# Altium PCB Steam_dev_kit_revised.PcbDoc (part 2 of 3) (continued)
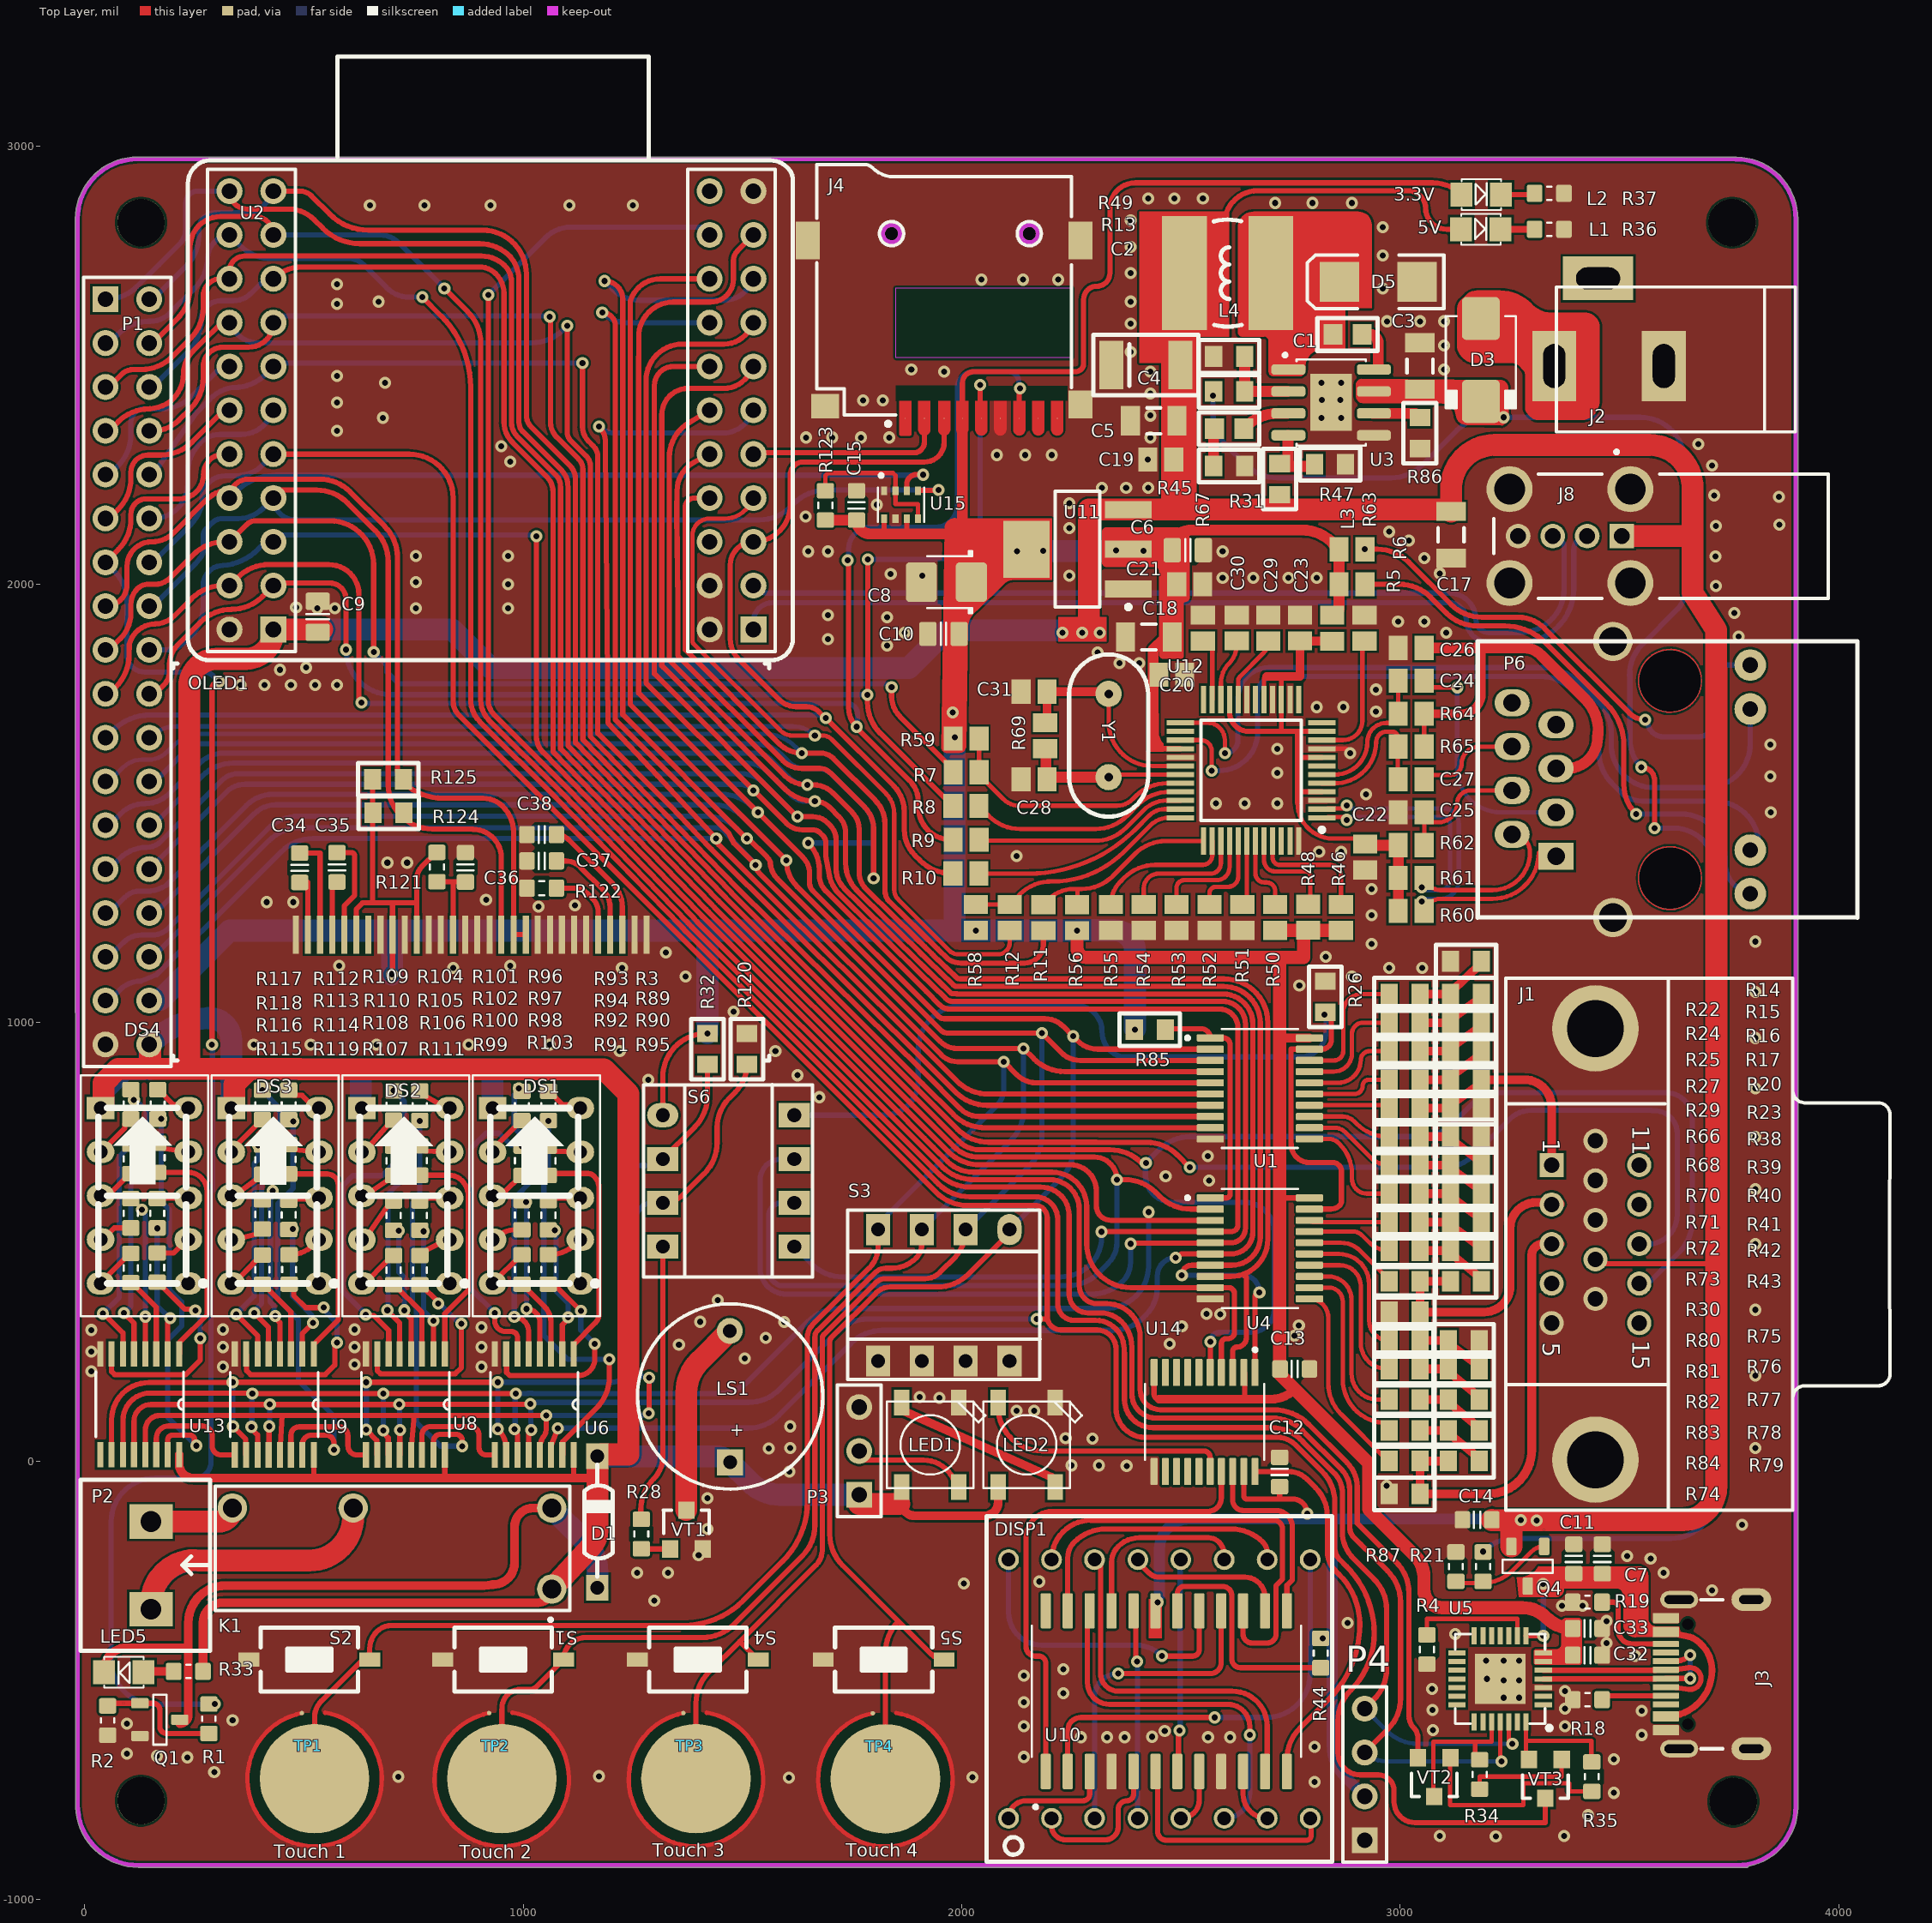
[diagram p0: Top Layer view]
## Nets (pads, with @x,y where several pads share a name; then routed paths per layer and width w, separated by ;. In a path a pad name is that pad's centre, name@x,y a point inside that pad or via, vN(x,y) a via of type N, cw(c..) or ccw(c..) an arc to the next point about the centre after c; other vN are vias at no path point) (continued)
  Top Layer w12: U2.10@1425,2297 1390.68,2279.14 ccw(c1425,2213.2) 1350.66,2213.5 1350.66,2213.13 1350.13,2169.91 1350.04,2168.76 1350.04,2159.87 1352.31,1959.97 1352.31,1837.69 1592.32,1597.68 ccw(c1635,1640.36) 1635,1580 1676,1580 cw(c1676,1546.2) 1699.9,1570.1 1779.21,1490.79 cw(c1731.4,1443) 1799,1443 v1(1799,1329) ; v1(1650,1410) cw(c1589.33,1349.33) v1@1650.47,1409.53 ; v1@1650.47,1409.52 cw(c1589.33,1349.33) 1673.37,1366.63 cw(c1589.33,1349.33) 1675.13,1349.33 1675.13,1336.57 ccw(c1726.57,1336.57) 1690.14,1300.26 ccw(c1726.57,1336.57) 1690.2,1300.2 1919.2,1071.2 1949.57,1040.58 ccw(c1972.7,1063.71) 1972.7,1031 2587.65,1031 cw(c2587.65,988.65) 2630,988.65 2630,538.57 cw(c2614.98,538.57) 2614.98,523.54 U4.4@2567.02,523.54 2566.74,523.27 2319.27,523.27 v1(2319,523)
  Bottom Layer w12: P1.24@147,1550.3 159.73,1550.3 174.69,1565.26 175.26,1565.26 238.55,1628.55 cw(c256.56,1610.51) 256.56,1636 1530,1636 cw(c1530,1553.92) 1588.01,1611.99 ; 1588.04,1611.96 1606.5,1593.5 ccw(c1639.09,1626.09) 1639.09,1580 1670.91,1580 cw(c1670.91,1533.91) 1703.5,1566.5 1777.08,1492.92 cw(c1724.16,1440) 1799,1440 1799,1410 ; S6.5@1618,489 1657.71,449.29 ccw(c1728.42,520) 1728.42,420 2225.4,420 ccw(c2225.4,515.6) 2293,448 ccw(c2230.23,510.77) 2319,510.77 v1(2319,523) ; v1(1650,1410) 1799,1410 ; v1(1799,1329) 1799,1410
IO4: P1.29 S3.1 S5.2 TP4.1 U1.2 U2.19 | length 6714.6
  Top Layer w12: U2.19@1525,2797 1488.13,2760.13 ccw(c1509.53,2738.73) 1479.26,2738.73 1479.26,2696.19 cw(c1427.07,2696.19) 1427.07,2644 1342.16,2644 ccw(c1342.16,2564.86) 1263.33,2571.92 1263,2472.04 1263,1752.04 v1(1535.02,1480.02) 1637.74,1377.3 cw(c1600.91,1340.47) 1653,1340.47 1653,1318.89 ccw(c1678.89,1318.89) 1660.57,1300.6 ; 1660.58,1300.58 1946.63,1014.54 ccw(c1960,1027.91) 1960,1009 2190,1009 cw(c2190,951.06) 2230.97,992.03 v1(2254,969) 2264.65,958.35 ccw(c2310,1003.71) 2310,939.57 U1.2@2567.01,939.57 ; TP4.1@1818.93,-739.63 TP4.1@1818.93,-725 ; TP4.1@1826,-725 1826,-436.42 cw(c1926,-436.42) 1855.29,-365.71 1855.5,-365.5 ; S5.2@1959.8,-453 cw(c1959.8,-412.45) 1931.12,-441.12 1855.5,-365.5 ; S3.1@2109,528 2109,520.13 2015.16,426.29 cw(c1944.45,497) 1944.45,397 1836.9,397 ccw(c1836.9,351.37) 1804.61,383.62 1702.49,281.49 ccw(c1711,273.03) 1699,273.03 1699,-167.58 ccw(c1799,-167.58) 1728.29,-238.29 1855.5,-365.5
  Bottom Layer w12: P1.29@55,1250 90.86,1285.86 ; 90.88,1285.88 cw(c125,1251.72) 125,1300 140,1300 ccw(c140,1384.5) 185.69,1313.42 ccw(c179.2,1323.51) 187.64,1314.98 367.96,1495.3 cw(c430,1433.27) 430,1521 1452.62,1521 cw(c1452.62,1421) 1523.33,1491.71 v1(1535.02,1480.02) ; S3.1@2109,528 2227.54,646.54 ccw(c2163.66,710.42) 2245.68,672.56 ccw(c2163.66,710.42) 2254,710.42 v1(2254,969)
IO5: P1.30 S3.2 S4.2 TP3.1 U1.3 U2.18 | length 6563
  Top Layer w12: 1244,2643.95 1244,1726 v1(1600,1370) ccw(c1684.5,1370) 1624.73,1310.27 1951.44,983.56 ccw(c1969.66,1001.73) 1969.63,976 v1(2183,976) 2227.36,931.64 ccw(c2270,974.27) 2270,913.98 U1.3@2567.01,913.98 ; 1244,2643.99 cw(c1256,2643.95) 1244.56,2647.57 cw(c1312.28,2625.89) 1312.28,2697 U2.18@1425,2697 ; TP3.1@1393.93,-749.63 1393.93,-552.49 cw(c1493.93,-552.49) 1423.22,-481.78 1493.5,-411.5 ; S4.2@1535.8,-453 cw(c1535.8,-451.08) 1534.44,-452.44 1493.5,-411.5 ; 1667.86,-237.14 1493.5,-411.5 ; 1667.88,-237.12 ccw(c1633.72,-203) 1682,-203 1682,280.07 cw(c1694,280.07) 1685.49,288.53 1803.48,406.52 cw(c1826.36,383.64) 1826.36,416 1916.2,416 ccw(c1916.2,463.8) 1950,430 1986.52,466.52 ccw(c1913.69,528) S3.2@2009,528
  Bottom Layer w12: P1.30@147,1250.3 159.73,1250.3 174.69,1265.26 175.26,1265.26 387.11,1477.11 cw(c435.12,1429.11) 435.12,1497 1436.94,1497 cw(c1436.94,1409.94) 1498.46,1471.54 cw(c1436.94,1409.94) 1498.5,1471.5 v1(1600,1370) ; S3.2@2009,528 2153.71,672.71 ccw(c2083,743.42) 2173.04,699.91 ccw(c2083,743.42) 2183,743.42 v1(2183,976)
IO6: P1.31 S1.2 S3.3 TP2.1 U1.4 U2.17 | length 7074
  Top Layer w12: TP2.1@951,-730 951,-570.83 cw(c1014.4,-570.83) 951.44,-563.41 cw(c993.84,-563.41) 961.22,-536.31 cw(c993.84,-563.41) 993.84,-521 1015,-521 ccw(c1015,-499.77) 1030.01,-514.78 S1.2@1091.8,-453 cw(c1142.3,-453) 1110.67,-413.62 cw(c1142.3,-453) 1142.3,-402.49 1409.09,-402.49 ccw(c1409.09,-302.49) 1479.8,-373.2 1635.71,-217.29 ccw(c1565,-146.58) 1665,-146.58 1665,282.95 cw(c1687.05,282.95) 1671.46,298.54 1802.98,430.06 ; v1(1185,2692) cw(c1185,2650) 1227,2650 1227,1702.97 v1(1510,1420) ; v1(1510,1420) 1513.67,1420 1556.27,1377.4 cw(c1533.35,1354.45) 1561.99,1369.68 cw(c1551.38,1364.06) 1563.37,1364.57 ccw(c1616.84,1366.84) 1579,1329 1950.74,957.26 ccw(c1990,996.53) 1990,941 v1(2141,941) 2164.32,917.68 ccw(c2235.04,988.39) 2235.04,888.39 U1.4@2567.01,888.39 ; 1803,430.08 cw(c1826.97,406.07) 1826.97,440 1841.03,440 ccw(c1841.03,516.86) 1895.37,462.51 ccw(c1862.47,495.41) 1909,495.41 S3.3@1909,528
  Bottom Layer w12: P1.31@55,1150 87.75,1182.75 cw(c129.39,1141.11) 129.39,1200 153.79,1200 ccw(c153.79,1251.21) 189.99,1214.99 416.71,1441.71 cw(c487.42,1371) 487.42,1471 1417.58,1471 cw(c1417.58,1371) 1488.29,1441.71 v1(1510,1420) ; v1(1185,2692) 1203,2674 ccw(c1265.77,2736.77) 1265.77,2648 1458,2648 ccw(c1458,2715) U2.17@1525,2715 ; S3.3@1909,528 2111.71,730.71 ccw(c2041,801.42) 2131.04,757.91 ccw(c2041,801.42) 2141,801.42 v1(2141,941)
IO7: P1.32 S2.2 S3.4 TP1.1 U1.5 U2.16 | length 7149.6
  Top Layer w12: TP1.1@523.93,-724.63 523.93,-584.8 cw(c576.37,-584.8) 539.29,-547.71 649.8,-437.2 ; S2.2@649.8,-453 649.8,-437.2 ; v1(1180,2620) cw(c1180,2590) 1210,2590 1210,1690.96 1467.74,1433.22 1468.58,1431.62 1480,1410 v1(1530,1360) ccw(c1554.14,1360) 1530.46,1355.33 ccw(c1554.14,1360) 1537.07,1342.93 1954.14,925.86 ccw(c1990.01,961.73) 1990.01,911 v1(2096,911) 2125.96,881.04 ; 1789.44,440.56 1659.44,310.56 ccw(c1687.05,282.95) 1648,282.95 1648,-92.58 cw(c1456.26,-92.58) 1591.84,-228.16 1501.16,-318.84 cw(c1365.58,-183.26) 1365.58,-375 699.8,-375 ccw(c699.8,-422.8) 666,-389 ccw(c705.12,-428.12) 649.8,-428.12 649.8,-437.2 ; 1789.46,440.58 ccw(c1742.21,487.79) 1809,487.79 S3.4@1809,528 ; 2125.99,881.01 ccw(c2170,925.07) 2170,862.8 U1.5@2567.01,862.8
  Bottom Layer w12: P1.32@155,1150 420.56,1415.56 cw(c491.27,1344.85) 491.27,1444.85 1439.84,1444.85 cw(c1439.84,1419.87) 1457.47,1437.57 cw(c1439.84,1419.87) 1457.51,1437.53 cw(c1440,1420) 1457.55,1437.49 cw(c1440,1420) 1458.1,1436.92 1464.89,1429.66 v1(1530,1360) ; v1(1180,2620) ccw(c1235.53,2675.53) 1235.53,2597 U2.16@1425,2597 ; S3.4@1809,528 cw(c1837.97,528) 1810.59,537.46 cw(c1837.97,528) 1817.49,548.49 2080.61,811.61 ; 2080.63,811.63 ccw(c2043.47,848.76) 2096,848.76 v1(2096,911)
IO8: P1.33 U1.6 U2.11 | length 4329.7
  Top Layer w12: v1(1173,2360) cw(c1139.1,2326.1) 1177.83,2354.36 cw(c1139.1,2326.1) 1187,2328.22 cw(c1139.1,2326.1) 1187.04,2326.1 1187.04,2307.27 1193,1683.92 1306.01,1563.24 v1(1440,1420) ; v1@1436.31,1416.72 1444.23,1407.81 1445.76,1406.1 1590.87,1260.98 1947.91,907.89 1989.32,866.48 ccw(c2060,937.16) 2041.8,838.88 ccw(c2060,937.16) 2060,837.2 U1.6@2567.01,837.2
  Bottom Layer w12: P1.33@55,1050 79.74,1074.74 cw(c128.66,1025.82) 128.66,1095 163.79,1109.77 240.09,1186 267.8,1209.63 448.89,1390.71 cw(c519.6,1320) 519.6,1420 v1(1440,1420) ; v1(1173,2360) ccw(c1209.21,2396.21) 1209.21,2345 1455,2345 ccw(c1455,2415) U2.11@1525,2415
IO9: P1.23 R11.1 U2.8 | length 3294.9
  Top Layer w12: U2.8@1425,2197 1390.46,2197 ccw(c1390.46,2176.03) 1374.57,2189.72 ccw(c1390.46,2176.03) 1369.49,2176.03 1369.49,2155.79 1369.47,2138 1369.47,1850.53 1583.79,1636.21 ccw(c1635,1687.43) 1615.89,1617.57 ccw(c1635,1687.43) v1(1635,1615) 1678,1615 cw(c1678,1573.96) 1707.02,1602.98 1707.5,1602.5 1802.5,1507.5 cw(c1748.18,1453.18) 1802.56,1507.44 cw(c1748.18,1453.18) 1825,1453.18 1825,1300.12 ccw(c1858.14,1300.12) 1834.71,1276.69 1906.53,1206.06 1944.88,1168.37 1946.97,1166.33 1967.31,1146.62 ccw(c1975.61,1155.27) 1968.5,1145.61 ccw(c1998,1186.08) 1998,1136 2143.26,1136 ccw(c2143.26,1178.86) 2186.12,1178.86 R11.1@2186.12,1210.16
  Bottom Layer w10: P1.23@55,1550 87.32,1582.32 cw(c130,1539.64) 130,1600 144.71,1600 ccw(c144.71,1661.07) 187.89,1617.89 199.71,1629.71 cw(c270.42,1559) 270.42,1659 1549.58,1659 cw(c1549.58,1559) 1620.29,1629.71 v1(1635,1615)
IO10: P1.22 R12.1 U2.7 | length 3150.9
  Top Layer w10: U2.7@1525,2215 cw(c1460,2215) 1460,2150 1425,2150 ccw(c1425,2110.47) 1385.47,2110.47 1385.47,1871.3 ccw(c1395.47,1871.3) 1388.39,1864.24 1586.05,1666.58 ; 1586.06,1666.57 ccw(c1614,1694.53) 1614,1655 v1(1665,1655) 1682.5,1655 cw(c1682.5,1624.82) 1703.84,1646.16 1827.28,1522.72 cw(c1782.56,1478) 1845.8,1478 1845.8,1303.51 1845.8,1303.45 ccw(c1876.84,1303.45) 1854.89,1281.51 1854.93,1281.47 1973.73,1162.67 1973.84,1162.56 ccw(c1980.75,1169.79) 1974.93,1161.66 ccw(c1993,1187.67) 1993,1156 2082.9,1156 ccw(c2082.9,1182.29) 2109.18,1182.29 R12.1@2109.18,1210.47
  Bottom Layer w10: P1.22@147,1650.3 cw(c209.05,1588.25) 173.46,1668.46 cw(c209.05,1588.25) 209.05,1676 1614.3,1676 cw(c1614.3,1604.3) v1(1665,1655)
IO11: J4.3 P1.21 R10.1 U2.5 | length 3354.1
  Top Layer w12: 1491.4,1829.16 1583.78,1736.78 ; 1491.38,1829.19 cw(c1538.24,1876) 1472,1876 1472,2044 cw(c1525,2044) U2.5@1525,2097 ccw(c1525,2181) 1609,2181 1609,2250 cw(c1638,2250) 1638,2279 1915,2279 ccw(c1915,2324) 1960,2324 J4.3@1960,2378.74 ; 1583.81,1736.75 ccw(c1621.88,1774.88) 1621.88,1721 1646.01,1721 cw(c1646.01,1681.02) 1674.26,1709.32 ; 1674.28,1709.29 1688.57,1695 v1(1690,1695) 1844.5,1540.5 ; 1844.53,1540.47 cw(c1785.35,1481.35) 1869,1481.35 1869,1440 ccw(c1951.08,1440) 1893.01,1381.99 ; 1893.04,1381.96 1905.15,1369.85 ccw(c1975.86,1440.56) 1975.86,1340.56 R10.1@1980,1340.56
  Bottom Layer w12: P1.21@47,1650.3 62.41,1665.71 cw(c150.02,1578.1) 150.02,1702 1678.79,1702 1685.79,1695 v1(1690,1695)
IO12: J4.7 P1.19 R9.1 U2.L4 | length 3757.4
  Top Layer w12: P1.19@55,1750 69.89,1764.89 ccw(c-5.23,1840) 100.99,1838.37 101.36,1862.92 ; 101.37,1862.95 cw(c161.34,1847.8) 160.65,1909.65 ccw(c158.96,1974.03) 204.49,1928.49 243.71,1967.71 cw(c314.42,1897) 311.97,1996.97 cw(c314.42,1897) 314.42,1997 U2.L4@330,1997 348.71,2015.71 cw(c419.42,1945) 419.42,2045 556.72,2045 cw(c556.72,1976.56) 625.16,1976.56 v1@625.16,1739.22 ; v1(1740,2055) 1742,2053 1742,1718.46 ccw(c1803.46,1718.46) v1(1760,1675) ccw(c1763.75,1675) 1761.09,1672.36 1881.38,1552.06 cw(c1834.03,1504.71) 1901,1504.71 1901,1491.76 ccw(c1975.26,1491.76) 1922.74,1439.26 ccw(c1975.26,1491.76) 1975.26,1417.5 R9.1@1980.47,1417.5 ; J4.7@2131.26,2378.74 2131.26,2445.26 v1(2133,2447)
  Bottom Layer w12: v1@631.2,1728 1711.84,1728 1739,1728 cw(c1739,1705) 1762,1705 1762,1677 cw(c1760,1677) v1(1760,1675) ; v1(1740,2055) 1742,2057 1742,2080 cw(c1792.32,2080) 1792.32,2130.32 1940.32,2130.32 ccw(c1940.32,2180) 1990,2180 1990,2447.66 cw(c2027.34,2447.66) 2027.34,2485 2107,2485 cw(c2107,2462) 2130,2462
  other v1: 631.2,1730.03
IO13: J4.5 P1.20 R8.1 U2.L3 | length 3282.5
  Top Layer w12: P1.20@147,1750.3 ccw(c147,1782.41) 169.7,1759.7 180,1770 ccw(c147.94,1802.06) 193.28,1802.06 193.28,1817.75 cw(c254.91,1817.75) 211.33,1861.33 263.71,1913.71 cw(c334.42,1843) 334.42,1943 334.58,1943 ccw(c334.58,2043) 405.29,1972.29 436.12,2003.12 558,2003.12 cw(c558,1965.12) 596,1965.12 v1(596,1851) ; v1(1785,1748.22) 1785,1730.86 ccw(c1885,1730.86) 1814.29,1660.15 R8.1@1980,1494.44 ; v1@1785.5,1748.72 1785.5,2056.5 v1(1786,2057) ; v1(2042.23,2455) 2042.23,2384.57 ccw(c2050.48,2384.57) J4.5@2044.65,2378.74
  Bottom Layer w12: v1(596,1851) ccw(c698.78,1851) 698.78,1748.22 v1(1785,1748.22) ; v1(1786,2057) 1937,2057 ccw(c1937,2162.23) 2042.23,2162.23 v1(2042.23,2455)
IO14: P1.17 R7.1 U2.L6 | length 2484.2
  Top Layer w12: P1.17@55,1850 80.25,1875.25 ccw(c20.5,1935) 105,1935 105,1953.79 cw(c156.21,1953.79) 120,1990 cw(c144.14,1965.86) 137.16,1999.28 cw(c144.14,1965.86) 144.14,2000 160,2000 ccw(c160,2048.28) 194.14,2014.14 247.71,2067.71 cw(c318.42,1997) 318.42,2097 U2.L6@330,2097 369.51,2136.51 cw(c390,2116.03) 390,2145 558.78,2145 cw(c558.78,2045) 658.78,2045 v1(658.78,1845.26) ; v1(1840,1765.22) 1840,1744.45 ccw(c1904.45,1744.45) 1858.84,1698.91 ccw(c1904.45,1744.45) 1858.88,1698.88 1980.47,1577.28 R7.1@1980.47,1571.38
  Bottom Layer w12: v1(658.78,1845.26) 688.88,1815.17 688.88,1800.12 716,1773 1828.01,1773 1835.79,1765.22 v1(1840,1765.22)
IO15: P1.28 S6.7 U2.15 U4.5 | length 6233.9
  Top Layer w12: U2.15@1525,2615 cw(c1458,2615) 1458,2548 1363,2548 ccw(c1363,2465) 1280,2465 1280,1775 v1(1525,1530) 1600.07,1454.93 ; 1600.08,1454.92 ccw(c1636.11,1490.96) 1636.11,1440 1660,1440 cw(c1660,1415.86) 1677.06,1432.94 1683.11,1426.89 cw(c1666.04,1409.82) 1690.18,1409.82 1690.18,1379.37 1697.62,1337.32 ccw(c1776.68,1351.3) 1698.15,1334.62 1698.52,1332.88 ccw(c1710.25,1335.37) 1698.66,1332.27 1699.12,1330.54 ccw(c1776.68,1351.3) 1710.89,1305.28 1714.93,1299.51 1759.32,1255.11 1900.01,1117.12 1904.46,1112.79 1962.96,1055.93 1965.91,1053.27 ccw(c1977.29,1065.9) 1977.29,1048.9 1979.94,1048.9 cw(c1979.94,1036.9) 1980.3,1048.9 1987.78,1048.68 ccw(c1989.3,1094.65) 1988.26,1048.66 1991.64,1048.59 ccw(c1992.62,1094.58) 1992.62,1048.58 2595.06,1048.58 cw(c2595.06,996.64) 2647,996.64 2647,530.79 cw(c2614.17,530.79) 2614.17,497.95 U4.5@2567.02,497.95 2565.83,496.77 2386.18,496.77 v1(2385,495.59)
  Bottom Layer w12: P1.28@147,1350.3 322.85,1526.15 cw(c365.95,1483.05) 365.95,1544 1491.2,1544 cw(c1491.2,1496.2) v1(1525,1530) ; S6.7@1618,689 1589,689 ccw(c1589,640) 1586.97,688.96 ccw(c1589,640) 1540,640 1540,440.71 ccw(c1600,440.71) 1573.7,386.78 ccw(c1600,440.71) 1600,380.71 2296.29,380.71 ccw(c2296.29,480.71) 2367,410 ccw(c2323.54,453.46) 2385,453.46 v1(2385,495.59)
IO17: P1.26 U2.13 U4.7 U14.1 | length 5331.3
  Top Layer w12: U2.13@1525,2515 cw(c1457,2515) 1457,2447 1376,2447 ccw(c1376,2387) 1316,2387 1316,1814 1319.51,1810.49 1576,1554 1596.72,1533.28 ccw(c1665,1601.57) v1(1665,1505) cw(c1665,1456.72) 1681.69,1502.02 cw(c1665,1456.72) 1699.12,1490.88 ; 1699.14,1490.86 1720,1470 cw(c1683.42,1433.42) 1735.15,1433.42 1735.15,1364.16 ccw(c1823.97,1364.16) 1761.17,1301.35 1773.4,1289.11 1903.44,1161.41 ccw(c1912.17,1169.65) 1903.75,1161.1 1918.86,1146.27 1923.25,1141.97 1980.97,1086.01 ccw(c1989.3,1094.65) 1989,1082.65 1992.37,1082.58 ccw(c1992.62,1094.58) 1992.62,1082.58 2597.2,1082.58 cw(c2597.2,998.78) 2681,998.78 2681,511.6 cw(c2616.17,511.6) 2616.17,446.77 U4.7@2567.02,446.77 2524.77,446.77 ccw(c2524.77,424) v1(2502,424) ; U14.1@2668.95,202 2669,375 cw(c2679,375) v1(2679,385)
  Bottom Layer w12: P1.26@155,1450 267.71,1562.71 cw(c338.42,1492) 338.42,1592 1511.13,1592 cw(c1511.13,1527.13) 1557,1573 1610.86,1519.14 ; 1610.88,1519.12 ccw(c1645,1553.28) 1645,1505 v1(1665,1505) ; v1(2502,424) 2640,424 cw(c2640,385) v1(2679,385)
IO18: P1.25 U2.12 U4.8 U14.3 | length 4997.1
  Top Layer w12: U2.12@1425,2397 1377.63,2368.55 ccw(c1425,2289.68) 1333,2289.68 1333,1827 1596.31,1563.69 ccw(c1647.52,1614.9) 1596.5,1563.5 ccw(c1647.52,1614.9) 1597.52,1562.51 ccw(c1647.52,1614.9) v1(1647.52,1542.48) 1661.81,1542.48 cw(c1661.8,1480.39) 1705.67,1524.33 1750,1480 cw(c1711.54,1441.54) 1765.93,1441.54 1765.93,1343 ccw(c1819.67,1343) 1781.67,1305 1786.84,1299.83 1894.75,1193.8 ccw(c1903.63,1201.87) 1895.19,1193.34 1915.36,1173.53 cw(c1903.44,1161.41) 1915.4,1173.5 1931.47,1157.71 1935.11,1154.15 1987.48,1103.38 ccw(c1995.83,1112) 1995.83,1100 2598,1100 cw(c2598,1000) 2698,1000 2698,505.57 cw(c2613.61,505.57) 2613.61,421.18 2591.92,421.18 U4.8@2567.02,421.18 ; U14.3@2617.77,202 2617.77,249.77 cw(c2628,249.77) 2628,260 ccw(c2628,281) 2649,281 2649,418.47 ccw(c2645.64,418.47) 2645.64,421.83
  Bottom Layer w12: P1.25@55,1450 81.54,1476.54 cw(c138.18,1419.9) 138.18,1500 ccw(c138.18,1576.82) 192.49,1522.49 262,1592 cw(c317.53,1536.47) 317.53,1615 1531.23,1615 cw(c1531.23,1569.69) 1563.26,1601.74 1604.85,1560.15 ccw(c1647.51,1602.81) 1604.97,1560.03 ccw(c1647.51,1602.81) v1(1647.52,1542.48)
IO21: P1.18 U2.L5 U4.9 U14.4 | length 3906.6
  Top Layer w12: v1(1030,2110) 1030,1652.47 ccw(c1079.67,1652.47) 1044.55,1617.35 1045.65,1616.22 1401.15,1250.29 1402.9,1248.49 1409.33,1241.66 1877,774 1877.61,773.38 1914.5,736.5 1934.9,716.09 1967.65,683.34 ccw(c2026.38,742) 2026.38,659 2205.91,659 cw(c2205.91,579.91) 2285,579.91 2285,495.59 ccw(c2385,495.59) 2385,395.59 U4.9@2567.02,395.59 2608.41,395.59 cw(c2608.41,382) 2622,382 2622,294 cw(c2607,294) 2607,279 2603,279 ccw(c2603,268.18) 2592.18,268.18 U14.4@2592.18,202
  Bottom Layer w12: P1.18@147,1850.3 182.44,1850.3 ccw(c182.44,1917.56) 230,1870 240.68,1880.68 ccw(c169.97,1951.39) 269.97,1951.39 269.97,1997.91 cw(c315.06,1997.91) 315.06,2043 ccw(c306.11,2167.18) 394.14,2079.14 430,2115 435,2110 437.5,2112.5 1027.5,2112.5 v1(1030,2110)
IO35: P1.11 U2.L12 | length 417.4
  Top Layer w12: P1.11@55,2150 75.71,2170.71 ccw(c5,2241.42) 105,2241.42 105,2255.71 cw(c144.29,2255.71) 144.29,2295 173.58,2295 ccw(c173.58,2395) 244.29,2324.29 326.46,2406.46 ccw(c317.93,2415) U2.L12@330,2415
IO36: P1.12 U2.L11 | length 439.9
  Bottom Layer w12: P1.12@155,2150 ccw(c155,2230) 235,2230 235,2256.58 cw(c326.71,2256.58) 261.84,2321.4 ; 261.86,2321.43 264.35,2323.92 cw(c308,2280.27) 308,2342 357,2342 ccw(c357,2415) U2.L11@430,2415
IO37: P1.9 U2.L14 | length 421.9
  Bottom Layer w12: P1.9@55,2250 75.71,2270.71 ccw(c5,2341.42) 105,2341.42 105,2370 cw(c135,2370) 135,2400 173.58,2400 ccw(c173.58,2500) 244.29,2429.29 U2.L14@330,2515
IO38: P1.10 U1.7 U2.L13 | length 3692.4
  Top Layer w12: v1(1135,2505) 1135,2360 ccw(c1183.28,2360) 1149.12,2325.88 ; 1149.14,2325.86 1159.57,2315.43 cw(c1134.39,2290.25) 1170,2290.25 1170,1660 1337.62,1492.38 1415.6,1409.35 1429.74,1395.22 1928.85,898.84 1986.79,840.9 ccw(c2057.5,911.61) 2037.89,813.55 ccw(c2057.5,911.61) 2057.5,811.61 U1.7@2567.01,811.61
  Bottom Layer w12: P1.10@155,2250 255.57,2393.11 285.86,2423.41 cw(c349.12,2360.23) 335.94,2448.66 cw(c337.69,2436.79) 336.94,2448.76 340.62,2449 ccw(c340.58,2549) 411.29,2478.29 U2.L13@430,2497 cw(c449.31,2477.69) 449.31,2505 v1(1135,2505)
IO39: P1.7 U1.8 U2.L16 | length 3965.5
  Top Layer w12: P1.7@55,2350 75.71,2370.71 cw(c146.42,2300) 146.42,2400 ; 135,2400 139.15,2400 ccw(c139.15,2500) 194.06,2416.43 201.92,2424.29 ccw(c146.21,2480) 225,2480 cw(c297.43,2480) 246.21,2531.21 U2.L16@330,2615 ; v1(1100,2590) 1100,2347.38 ccw(c1127.38,2347.38) 1108,2328.04 ; 1108.02,2328.02 1143.78,2292.26 cw(c1121.51,2270) 1153,2270 1153,1652.96 1488.65,1306.6 1492.22,1303.02 1910.26,890.27 1996.72,803.8 ccw(c2039.65,846.73) 2039.65,786.02 U1.8@2567.01,786.02
  Bottom Layer w12: U2.L16@330,2615 ccw(c394,2615) 394,2551 1019.58,2551 ccw(c1019.58,2651) 1090.29,2580.29 v1(1100,2590)
IO40: P1.8 U1.9 U2.L15 | length 3857.4
  Top Layer w12: P1.8@155,2350 ccw(c155,2434.5) 214.75,2374.75 240.71,2400.71 ccw(c170,2471.42) 270,2471.42 270,2496 cw(c315,2496) 276.79,2519.76 cw(c315,2496) 315,2541 374,2541 ccw(c374,2597) U2.L15@430,2597 ; U2.L15@421,2606 U2.L15@430,2615 ; v1(1060,2610) 1062,2608 1062,2369.8 ccw(c1109.8,2369.8) 1076,2336 1126,2286 cw(c1101.86,2261.86) 1136,2261.86 1136,1645.92 1474.14,1297.14 1474.56,1296.71 1475.49,1295.71 1910.6,860.6 1981.48,789.72 ccw(c2052.19,860.43) 2040.21,761.15 ccw(c2052.19,860.43) 2052.19,760.43 U1.9@2567.01,760.43
  Bottom Layer w12: U2.L15@430,2615 432.5,2612.5 1057.5,2612.5 v1(1060,2610)
IO41: P1.5 S6.6 U2.L18 U4.2 | length 5338.8
  Top Layer w12: P1.5@55,2450 84.39,2479.39 cw(c110,2453.79) 110,2490 128.58,2490 ccw(c128.58,2590) 199.29,2519.29 240.71,2560.71 ccw(c170,2631.42) 270,2631.42 270,2657.6 cw(c309.4,2657.6) 309.4,2697 U2.L18@330,2697 ; U2.L18@330,2715 cw(c364,2715) 364,2749 904.22,2749 cw(c904.16,2673.15) 957.76,2726.82 cw(c921.11,2690.09) 973,2690.09 973,2545.03 ; 973.03,2545 973.03,2369.79 ccw(c1019.79,2369.79) 986.73,2336.73 1074.46,2249 cw(c1049.01,2223.55) 1084.46,2229.75 cw(c1072.63,2227.72) 1084.62,2228.25 1084.99,2219.9 cw(c1073,2219.37) 1085,2219.37 1085,1624.79 1428.99,1270.44 1430.6,1268.77 1435.39,1263.69 1888.04,811.04 1981.73,717.35 ccw(c2040.46,776) 2031.48,693.49 ccw(c2032.73,705.42) 2032.68,693.42 2302.58,693.42 cw(c2302.58,642) v1(2354,642) 2371.85,642 cw(c2371.85,542) 2442.56,612.71 2451.26,604.01 ccw(c2521.97,674.72) 2521.97,574.72 U4.2@2567.02,574.72
  Bottom Layer w12: S6.6@1618,589 1589,589 ccw(c1589,560) 1560,560 1560,430 ccw(c1572,430) 1560.05,428.94 1560.33,425.77 ccw(c1572.28,426.83) 1561.52,421.52 ccw(c1600,440.71) 1583.49,401.01 ccw(c1588.05,412.11) 1587.48,400.12 2241.7,400.12 ccw(c2241.7,500.12) 2262.83,402.38 ccw(c2241.7,500.12) 2312.41,429.41 2334,451 ccw(c2285.72,499.28) 2354,499.28 v1(2354,642)
IO43: P1.4 P4.3 U2.L19 U5.25 | length 5947.7
  Top Layer w10: U5.25@3227.99,-595.43 3227.99,-685 v1(3231,-685)
  Top Layer w12: P1.4@155,2550 210.71,2605.71 ccw(c140,2676.42) 240,2676.42 240,2769.38 cw(c309.62,2769.38) 309.62,2839 388,2839 cw(c388,2797) U2.L19@430,2797 ; v1(820,2675) 873.71,2621.29 cw(c803,2550.58) 903,2550.58 903,1736.86 903,1735.41 ccw(c967.25,1735.41) 920.02,1691.86 920.9,1690.9 1087.68,1524.12 cw(c1079.19,1515.63) 1087.8,1523.99 1375.21,1228.19 1378.45,1224.76 1384.32,1218.6 1948.62,654.29 ccw(c2019.33,725) 1998.78,627.14 ccw(c2019.33,725) 2019.33,625 2180,625 cw(c2180,560) 2245,560 2245,381.01 ccw(c2288.01,381.01) 2288.01,338 2315.62,338 2315.72,338 cw(c2315.69,269.54) 2364.14,317.9 cw(c2306.26,260.12) 2388.04,260.12 2388.04,153.06 ; 2388.13,153.06 ccw(c2443.1,152.97) 2443.1,98 2707.58,98 cw(c2707.58,-2) 2778.29,68.71 2865.2,-18.2 cw(c2817.4,-66) 2885,-66 2885,-152 ccw(c2916.38,-152) 2894.18,-174.18 2909.72,-189.72 2910.28,-189.72 2936.23,-215.67 ; P4.3@2919,-665 2971.54,-612.46 ccw(c2900.83,-541.75) 3000.83,-541.75 3000.83,-321.7 ccw(c2900.83,-321.7) 2971.54,-250.99 2936.23,-215.67 ; 2936.27,-215.71 2936.23,-215.67
  Bottom Layer w10: P4.3@2919,-665 ccw(c2967.28,-616.72) 2967.28,-685 v1(3231,-685)
  Bottom Layer w12: U2.L19@430,2797 672.54,2797 cw(c672.54,2735.54) 715.97,2779.03 ; 716,2779 v1(820,2675)
IO44: P1.3 P4.4 U2.L20 U5.26 | length 5776.5
  Top Layer w10: U5.26@3247.68,-595.43 3247.68,-645 v1(3256,-645)
  Top Layer w12: v1(770,2655) 812.71,2612.29 cw(c650.26,2449.84) 880,2449.84 880,1736.86 ccw(c950.26,1736.86) 900.58,1687.18 1075.51,1512.24 cw(c1067.02,1503.76) 1075.63,1512.12 1361.43,1217.98 1372.15,1206.72 1852.91,725.96 1940.44,638.44 1946.58,632.29 ccw(c2017.29,703) 2017.29,603 2030,603 2167,603 cw(c2167,551) 2219,551 2219,358.07 ccw(c2256.07,358.07) 2255.95,321 2305.2,321 cw(c2305.2,255.9) 2370.29,255.9 cw(c2296.2,245.64) 2371,245.64 2371,141 ccw(c2436,141) 2436,76 2706.97,76 2707.05,76 cw(c2706.98,-19.07) 2777.41,44.79 2778.98,43.06 2851.4,-29.36 cw(c2842.92,-37.85) 2851.94,-29.93 cw(c2802.71,-72.95) 2867.98,-69.28 cw(c2856,-69.9) 2868,-69.9 2868,-161 ccw(c2954.88,-161) 2871.36,-184.92 ccw(c2954.88,-161) 2874.76,-194.59 ccw(c2954.88,-161) 2893.45,-222.43 2939.86,-268.85 cw(c2869.15,-339.56) 2969.15,-339.56 2969.15,-473.42 cw(c2869.15,-473.42) 2939.86,-544.14 P4.4@2919,-565
  Bottom Layer w10: P4.4@2919,-565 2969.71,-615.71 ccw(c3040.42,-545) 3040.42,-645 v1(3256,-645)
  Bottom Layer w12: P1.3@55,2550 75.71,2570.71 cw(c146.42,2500) 146.42,2600 150,2600 ccw(c150,2660.36) 192.68,2617.68 251.72,2676.72 ccw(c183.43,2745) 265,2693.31 ccw(c183.43,2745) 280,2745 cw(c328.28,2745) 294.12,2779.12 ; 294.14,2779.14 U2.L20@321,2806 ; U2.L20@330,2797 354.71,2772.29 ccw(c425.42,2843) 390.82,2749.18 ccw(c425.42,2843) 425.42,2743 603.62,2743 cw(c603.62,2698.62) 635,2730 688.79,2676.21 ccw(c740,2727.43) 740,2655 v1(770,2655)
IO45: P1.13 R1.1 U2.L10 | length 3605.6
  Top Layer w12: P1.13@47,2050.3 76.93,2080.23 ccw(c9.15,2148) 105,2148 105,2160 cw(c140,2160) 140,2195 215.22,2195 ccw(c215.22,2250.4) 270.62,2250.4 cw(c317.22,2250.4) 317.22,2297 U2.L10@330,2297 ; v1(290,950) 290,1762 cw(c306,1762) v1(306,1778)
  Bottom Layer w12: P1.13@47,2050.3 66.71,2030.59 cw(c-4,1959.88) 96,1959.88 96,1840.21 ccw(c136.21,1840.21) 136.21,1800 271,1800 cw(c271,1768.62) 288.17,1794.89 cw(c271,1768.62) 293.19,1790.81 v1(306,1778) ; v1(290,950) 291,949 291,616.82 287.78,613.59 287.78,-2.22 cw(c251,-2.22) 251,-39 160,-39 ccw(c160,-139) 60,-139 60,-454.54 ccw(c160,-454.54) 160,-554.54 v1(296.46,-554.54)
IO46: J4.2 U2.9 | length 443
  Top Layer w12: U2.9@1540.1,2300 1780,2300 1890.66,2300 ccw(c1890.66,2324.06) 1895.85,2300.57 ccw(c1893.26,2312.28) 1898.17,2301.33 1902.61,2303.32 ccw(c1897.71,2314.27) 1904.68,2304.5 1904.72,2304.53 ccw(c1890.66,2324.06) 1914.72,2324.06 J4.2@1914.72,2378.74
IO47: OLED1.19 OLED1.20 P1.15 R125.2 U2.L8 U15.3 | length 3656.5
  Top Layer w12: P1.15@47,1950.3 ccw(c47,1999.3) 56.16,1951.16 ccw(c47,1999.3) 95.61,1993.12 ccw(c47,1999.3) 96,1999.3 96,2040.72 cw(c152.28,2040.72) 152.28,2097 ccw(c152.28,2168.75) 191.06,2108.38 ccw(c152.28,2168.75) 203.02,2118.02 278.79,2193.79 cw(c330,2142.57) U2.L8@330,2215 ; U2.L8@330.22,2214.81 cw(c396.11,2157.14) 339.48,2223.93 cw(c373,2197) 366.28,2239.47 cw(c373,2197) 373,2240 535.9,2240 cw(c535.93,2143.26) 604.27,2211.73 683.71,2132.29 cw(c613,2061.58) 713,2061.58 713,1602.62 713,1588.8 ccw(c760.8,1588.8) 713.01,1587.84 713.31,1572.62 R125.2@727,1555 738.55,1537.38 ccw(c816.82,1645.41) 816.82,1512 908.22,1512 908.3,1512 cw(c908.27,1448.37) 953.27,1493.36 cw(c893.37,1433.59) 977.98,1433.59 OLED1.19@977.98,1200.98 OLED1.20@1005.98,1200.98 ; U15.3@1874.41,2212.99 1874.44,2216.83 1874.53,2228.73 cw(c1895.92,2228.74) 1895.96,2250.13 v1(1912,2250)
  Bottom Layer w12: U2.L8@330,2197 343.71,2210.71 cw(c436.15,2118.27) 392.53,2241.51 cw(c396.54,2230.2) 393.61,2241.83 404.23,2244.54 ccw(c400,2261) 406.86,2245.44 cw(c411.66,2234.45) 409.18,2246.19 cw(c436.15,2118.27) 436.15,2249 1911,2249 v1(1912,2250)
IO48: OLED1.18 P1.16 R124.2 U2.L7 U15.4 | length 3396.9
  Top Layer w12: U2.L7@430,2215 528.58,2215 cw(c528.58,2115) 599.29,2185.71 662.71,2122.29 cw(c592,2051.58) 692,2051.58 692,1542 ccw(c792,1542) 792,1442 871.99,1442 cw(c871.99,1342.99) 884.76,1441.17 cw(c884.76,1375.95) 928.71,1424.14 cw(c884.76,1375.95) 949.98,1375.95 OLED1.18@949.98,1200.98 ; U15.4@1900,2212.99 1900,2213.11 1900.89,2214 1946,2214 v1(1947,2215)
  Bottom Layer w12: P1.16@155,1950 250.71,2045.71 ccw(c180,2116.42) 261.72,2058.79 ccw(c241.73,2078.78) 270,2078.78 270,2110 cw(c294.14,2110) 277.07,2127.07 290,2140 cw(c314.14,2115.86) 314.14,2150 350,2150 ccw(c350,2229.67) 406.33,2173.33 U2.L7@430,2197 ccw(c480,2197) 480,2147 1523,2147 1538.58,2147 ccw(c1538.58,2247) 1578.91,2155.49 ccw(c1538.58,2247) 1609.29,2176.29 cw(c1691.95,2107.39) 1691.95,2215 v1(1947,2215)